# Altium PCB OneBox.PcbDoc (part 10 of 13)
Units mm, origin at the board's own origin, x right, y up, seen from the top; angles counter-clockwise.
Board outline 101 x 69 mm, 6 copper layers (L1_Sig, L2_Gnd, L3_Pow, L4_Sig, L5_Gnd, L6_Sig), stack 1.538 mm thick; 766 components, 563 nets, 3133 pads, 2914 vias.
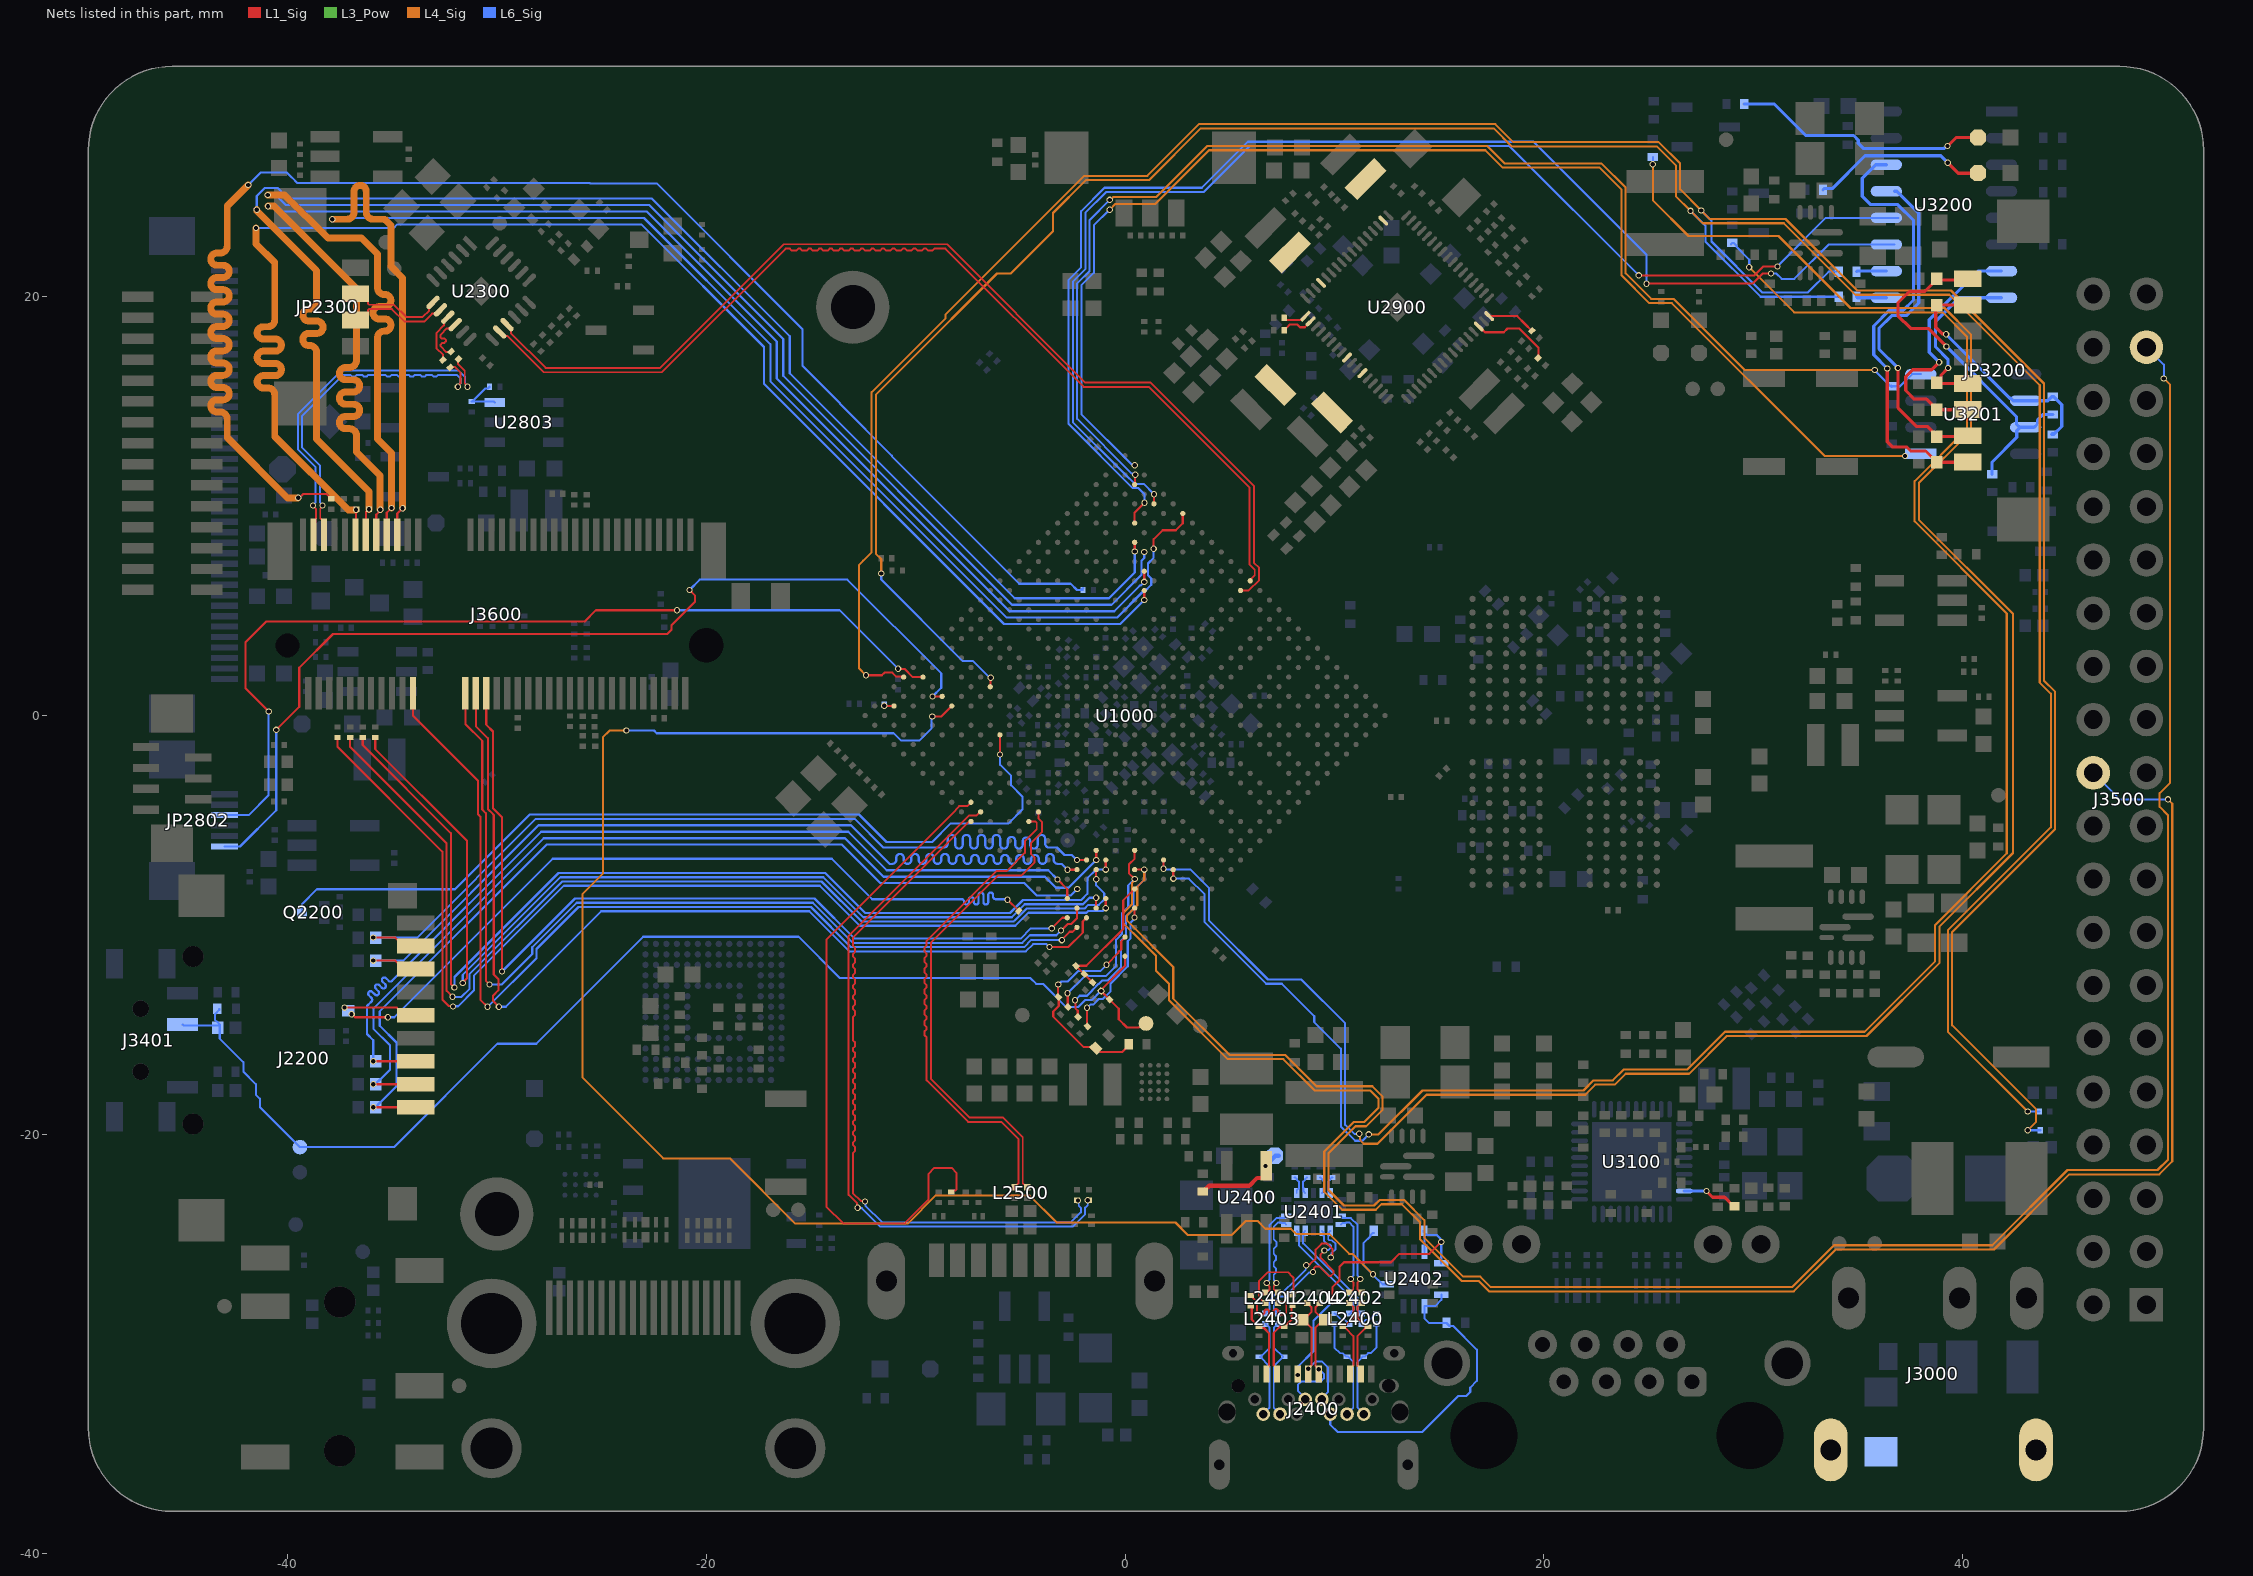
[diagram p14: the nets of this part, all layers, seen from the top]

## Via types
v1: diameter 0.3, hole 0.2, L1_Sig to L6_Sig, tented both sides, 2711 vias
v2: diameter 0.5, hole 0.3, L1_Sig to L6_Sig, tented both sides, 199 vias
v3: diameter 0.305, hole 0.203, L1_Sig to L6_Sig, tented both sides, 4 vias

## Nets (pads, with @x,y where several pads share a name; then routed paths per layer and width w, separated by ;. In a path a pad name is that pad's centre, name@x,y a point inside that pad or via, vN(x,y) a via of type N, cw(c..) or ccw(c..) an arc to the next point about the centre after c; other vN are vias at no path point) (continued)
RS232_RX2: ED3202.1 JP3200.4 U3200.8 | length 8.5
  L1_Sig w0.152: v1(39.3,16.6) 38.959,16.259 38.959,16.099 38.76,15.9 38.76,15.925 38.824,15.861 JP3200.4@40.178,15.861
  L6_Sig w0.152: v1(39.3,16.6) 39.3,17 38.7,17.6 38.7,18.822 39.833,19.955 U3200.8@41.852,19.955
RS232_RX3: ED3204.1 JP3200.2 U3200.13 | length 16.6
  L1_Sig w0.152: v1(36.9,16.6) 36.9,14.694 37.787,13.807 38.302,13.807 38.76,13.349 38.76,13.324 JP3200.2@40.202,13.324 ; JP3200.2@40.078,13.2 JP3200.2@40.202,13.324 ; JP3200.2@40.239,13.361 JP3200.2@40.202,13.324
  L6_Sig w0.152: U3200.13@36.754,25.035 36.848,25.035 37.9,23.983 37.9,19.7 37.3,19.1 36.6,19.1 36,18.5 36,17.5 v1(36.9,16.6)
RS232_TX2: ED3203.1 JP3200.3 U3200.7 | length 12.7
  L1_Sig w0.152: v1(38.87,16.872) 38.509,16.511 37.611,16.511 37.276,16.176 37.276,15.524 37.686,15.114 38.271,15.114 38.76,14.625 38.76,14.6 40.228,14.6 JP3200.3@40.239,14.611 JP3200.3@40.128,14.5
  L6_Sig w0.152: v1(38.87,16.872) 38.4,17.342 38.4,18.899 40.726,21.225 U3200.7@41.852,21.225
RS232_TX3: ED3205.1 JP3200.1 U3200.14 | length 21.6
  L1_Sig w0.152: v1(36.397,16.572) 36.397,13.071 36.412,13.056 36.412,13.053 36.633,12.833 37.313,12.833 37.51,12.636 38.224,12.636 38.536,12.324 38.561,12.324 38.76,12.125 38.76,12.1 40.228,12.1 JP3200.1@40.239,12.111 JP3200.1@40.128,12
  L6_Sig w0.152: U3200.14@36.348,26.305 35.848,26.305 35.2,25.657 35.2,24.8 35.6,24.4 36.9,24.4 37.646,23.654 37.646,19.846 37.154,19.354 36.495,19.354 35.746,18.605 35.746,17.223 v1(36.397,16.572)
RS485_A: ED3201.1 JP3200.7 R3206.1 R3208.2 U3201.6 | length 12
  L1_Sig w0.152: v1(39.204,18.209) 39.176,18.237 39.02,18.237 38.712,18.546 38.712,19.552 38.76,19.6 38.771,19.611 JP3200.7@40.239,19.611
  L6_Sig w0.152: v1(39.204,18.209) 39.204,18.196 39.8,17.6 42.246,15.154 42.287,15.154 42.406,15.035 U3201.6@43,15.035 44.06,15.035 44.25,15.225 R3208.2@44.3,15.225 44.35,15.225 44.728,14.847 44.728,13.803 44.35,13.425 44.25,13.425 R3206.1@44.3,13.475
RS485_B: ED3200.1 JP3200.8 R3207.2 R3208.1 U3201.7 | length 17.4
  L1_Sig w0.152: v1(39.215,17.628) 38.353,18.491 37.509,18.491 36.9,19.1 36.9,19.7 37.45,20.25 38.184,20.25 38.735,20.801 38.765,20.801 JP3200.8@40.179,20.801 ; JP3200.8@40.178,20.8 JP3200.8@40.179,20.801 ; JP3200.8@40.239,20.861 JP3200.8@40.179,20.801
  L6_Sig w0.152: v1(39.215,17.628) 42.56,14.284 42.56,13.926 42.72,13.765 U3201.7@42.737,13.765 ; R3207.2@41.4,11.525 41.4,12.11 42.576,13.286 42.576,13.604 U3201.7@42.737,13.765 ; R3208.1@44.3,14.375 43.821,14.375 43.567,14.12 43.567,13.926 43.406,13.765 U3201.7@43,13.765 U3201.7@42.737,13.765
RS_UART_B0: LED3200.2 R3211.2 | length 8.4
  L1_Sig w0.152: v1(39.278,26.399) 39.778,25.9 LED3200.2@40.723,25.9
  L6_Sig w0.152: R3211.2@33.325,25.1 33.389,25.164 33.764,25.164 35.333,26.733 38.945,26.733 v1(39.278,26.399)
RS_UART_B1: LED3201.2 R3214.2 | length 12.3
  L1_Sig w0.152: v1(39.274,27.198) 39.675,27.6 LED3201.2@40.723,27.6
  L6_Sig w0.152: R3214.2@29.569,29.203 30.997,29.203 32.5,27.7 34.784,27.7 35.004,27.48 35.004,27.332 35.251,27.085 39.121,27.085 39.234,27.198 v1(39.274,27.198)
RS_UART_LED_GPIO1_B0: R3209.2 U1000.D20 | length 96.2
  L1_Sig w0.102: U1000.D20@2.298,-7.354 2.302,-7.358 2.302,-7.781 v1(2.306,-7.784)
  L4_Sig w0.102: v1(11.638,-19.995) 12.105,-19.995 14.2,-17.9 21.887,-17.9 22.368,-17.419 23.293,-17.419 23.816,-16.897 26.85,-16.897 28.65,-15.097 35.316,-15.097 38.679,-11.733 38.679,-9.997 42.1,-6.576 42.1,4.873 37.7,9.273 37.7,11.187 40.197,13.684 40.197,18.103 39.044,19.256 31.952,19.256 v1(29.799,21.41)
  L6_Sig w0.102: v1(2.306,-7.784) 3.047,-7.784 3.799,-8.536 3.799,-9.862 6.741,-12.804 7.49,-12.804 9.034,-14.348 9.034,-14.634 10.306,-15.906 10.306,-19.619 10.984,-20.297 11.336,-20.297 v1(11.638,-19.995) ; R3209.2@28.929,22.504 R3209.2@29,22.575 29.05,22.575 29.199,22.426 29.199,22.376 29.806,21.769 29.806,21.417 v1(29.799,21.41)
RS_UART_LED_GPIO1_B1: R3212.2 U1000.E20 | length 104.7
  L1_Sig w0.102: v1(1.837,-7.316) U1000.E20@1.838,-6.895
  L4_Sig w0.102: v1(11.186,-19.966) 11.224,-20.004 11.224,-20.269 11.398,-20.443 12.057,-20.443 14.397,-18.103 21.972,-18.103 22.452,-17.622 23.378,-17.622 23.9,-17.1 26.934,-17.1 28.734,-15.3 35.4,-15.3 38.882,-11.818 38.882,-10.081 42.4,-6.563 42.4,4.861 37.903,9.358 37.903,11.103 40.4,13.6 40.4,18.187 39.128,19.459 34.641,19.459 31.2,22.9 26.9,22.9 25.2,24.6 v1(25.2,26.33)
  L6_Sig w0.102: v1(1.837,-7.316) 1.875,-7.354 3.13,-7.354 4.002,-8.226 4.002,-9.778 6.825,-12.601 8.414,-12.601 10.51,-14.697 10.51,-19.535 10.96,-19.985 11.168,-19.985 v1(11.186,-19.966) ; v1(25.2,26.33) R3212.2@25.2,26.675
RSET1: R3102.2 U3100.39 | length 2.7
  L1_Sig w0.152: v1(27.764,-22.696) 27.764,-22.716 28.049,-23 28.625,-23 29.05,-23.425 R3102.2@29.1,-23.425
  L6_Sig w0.152: U3100.39@26.7,-22.7 27.76,-22.7 v1(27.764,-22.696)
RT9293_FB: R2805.2 R2806.1 U2803.3 | length 2.3
  L6_Sig w0.102: R2805.2@-30.35,15.7 -30.35,15.693 -30.424,15.619 -30.556,15.619 -31.175,15 R2806.1@-31.2,15 -30.147,15 U2803.3@-30.097,14.95
RX_2: R3202.2 U3200.9 | length 1.4
  L6_Sig w0.152: R3202.2@34.925,20 34.97,19.955 U3200.9@36.348,19.955
SARADC_VIN0_KEY/RECOVERY: C1701.2 C3400.2 ED3402.1 J3401.2 R1700.2 TP1700.1 TP3402.1 U1000.B27 | length 59.7
  L1_Sig w0.102: R1700.2@-1.146,-13.146 C1701.2@-0.746,-13.546 -0.3,-13.993 -0.3,-14.499 0.092,-14.891 0.647,-14.891 0.838,-14.7 TP1700.1@1,-14.7 ; R1700.2@-1.146,-13.146 v1(-1.138,-13.146) -1.138,-13.084 0,-11.946 U1000.B27@0,-11.491
  L6_Sig w0.102: J3401.2@-45.004,-14.75 -44.954,-14.8 ED3402.1@-43.225,-14.8 ; C3400.2@-43.25,-14 -43.25,-14.05 -43.449,-14.249 -43.449,-14.541 -43.39,-14.601 -43.374,-14.601 -43.225,-14.75 ED3402.1@-43.225,-14.8 ; v1(-1.138,-13.146) -1.149,-13.146 -1.587,-13.583 -1.911,-13.583 -2.249,-13.921 -2.808,-13.921 -3.92,-12.809 -4.239,-12.809 -4.523,-12.526 -13.621,-12.526 -15.585,-10.561 -23.007,-10.561 -28.116,-15.67 -29.97,-15.67 -34.903,-20.603 TP3402.1@-39.397,-20.603 -41.311,-18.689 -41.311,-18.289 -41.5,-18.1 -41.5,-17.596 -42.1,-16.996 -42.1,-16.55 -43.225,-15.425 ED3402.1@-43.225,-14.8
SARADC_VIN1: C1702.2 R3409.1 R3410.2 U1000.C26 | length 10.5
  L1_Sig w0.102: v1(-3.194,-12.843) -3.204,-12.854 -3.204,-13.414 C1702.2@-3.186,-13.431 -3.169,-13.449 -3.169,-13.867 -3.428,-14.126 -3.428,-14.372 -1.969,-15.831 -1.658,-15.831 -1.609,-15.881 R3409.1@-1.398,-15.881 ; R3409.1@-1.389,-15.865 -1.184,-16.069 -0.144,-16.069 0.09,-15.835 R3410.2@0.09,-15.686 ; v1(-0.882,-11.896) -0.317,-11.331 -0.317,-11.289 -0.182,-11.154 -0.182,-10.781 0,-10.599 U1000.C26@0,-10.571
  L6_Sig w0.102: v1(-3.194,-12.843) -3.177,-12.843 -3.033,-12.698 -2.744,-12.698 -2.249,-12.203 -1.516,-12.203 -1.513,-12.2 -1.186,-12.2 v1(-0.882,-11.896)
SARADC_VIN2_HP_HOOK: C1703.2 U1000.D24 | length 6.8
  L1_Sig w0.102: v1(-1.813,-13.952) -1.813,-14.215 -1.811,-14.217 -1.811,-14.819 C1703.2@-1.793,-14.836 ; v1(0.449,-9.643) 0.454,-9.638 0.454,-9.198 U1000.D24@0.46,-9.192
  L6_Sig w0.102: v1(-1.813,-13.952) -1.804,-13.952 -1.654,-13.802 -1.519,-13.802 -1.25,-13.534 -1.059,-13.534 -0.689,-13.164 -0.689,-12.789 0.129,-11.971 0.129,-10.771 0.268,-10.632 0.268,-9.878 0.449,-9.697 v1(0.449,-9.643)
SARADC_VIN3: C1704.2 R3407.1 R3408.2 U1000.E23 | length 6.3
  L1_Sig w0.102: R3407.1@-2.346,-11.946 R3408.2@-1.946,-12.346 C1704.2@-1.546,-12.746 ; R3407.1@-2.346,-11.946 -2.329,-11.964 -2.224,-11.964 -2.206,-11.946 -1.846,-11.946 -0.087,-10.187 -0.087,-8.82 U1000.E23@0.46,-8.273
SARADC_VIN4: C1705.2 J3500.22 U1000.G21 | length 101.6
  L1_Sig w0.102: v1(-2.747,-13.258) -2.738,-13.267 -2.738,-13.892 C1705.2@-2.72,-13.91 ; U1000.G21@0.46,-6.435 0.46,-6.833 0.182,-7.111 0.182,-7.522 v1(0.46,-7.8)
  L4_Sig w0.102: v1(0.46,-7.8) 0.46,-7.853 0.333,-7.98 0.333,-9.005 -0.084,-9.422 -0.084,-9.43 -0.103,-9.449 -0.103,-9.884 0.806,-10.794 1.479,-11.466 1.479,-12.179 2.097,-12.797 2.097,-13.597 4.9,-16.4 7.551,-16.4 9.054,-17.903 11.716,-17.903 12.097,-18.284 12.097,-18.736 11.427,-19.406 10.92,-19.406 9.51,-20.816 9.51,-22.738 10.369,-23.597 11.971,-23.597 12.237,-23.331 13.218,-23.331 14.09,-24.203 14.09,-25.016 16.068,-26.994 16.881,-26.994 17.381,-27.494 31.932,-27.494 33.932,-25.494 41.494,-25.494 45.084,-21.903 49.384,-21.903 50.003,-21.284 50.003,-4.203 v1(49.8,-4)
  L6_Sig w0.102: v1(-2.747,-13.258) -1.931,-12.442 -0.917,-12.442 -0.424,-11.949 -0.424,-10.698 -0.15,-10.425 -0.15,-9.429 0.152,-9.127 0.152,-8.108 v1(0.46,-7.8) ; J3500.22@46.23,-2.73 47.5,-4 v1(49.8,-4) ; J3500.22@46.411,-3.183 J3500.22@46.446,-3.219
SARADC_VIN5: C1706.2 J3500.37 U1000.F22 | length 119.3
  L1_Sig w0.102: v1(-2.386,-13.59) -2.373,-13.603 -2.373,-13.979 -2.261,-14.091 -2.261,-14.369 C1706.2@-2.243,-14.386 ; U1000.F22@0.46,-7.354 v1(0.919,-7.354)
  L4_Sig w0.102: v1(0.919,-7.354) 0.919,-7.838 0.581,-8.176 0.581,-9.053 0.322,-9.313 0.312,-9.313 0.119,-9.506 0.119,-9.516 0.1,-9.534 0.1,-9.8 2.3,-12 2.3,-13.513 4.984,-16.197 7.635,-16.197 9.138,-17.7 11.8,-17.7 12.3,-18.2 12.3,-18.82 11.511,-19.609 11.004,-19.609 9.713,-20.9 9.713,-22.654 10.453,-23.394 11.887,-23.394 12.153,-23.128 13.328,-23.128 14.294,-24.094 14.294,-24.932 16.153,-26.79 16.965,-26.79 17.465,-27.29 31.847,-27.29 33.847,-25.29 41.41,-25.29 45,-21.7 49.3,-21.7 49.8,-21.2 49.8,-4.75 49.4,-4.35 49.4,-3.7 49.9,-3.2 49.9,15.8 v1(49.6,16.1)
  L6_Sig w0.102: v1(-2.386,-13.59) -2.171,-13.376 -1.817,-13.376 -1.546,-13.105 -1.546,-13.086 -1.275,-12.815 -1.261,-12.815 -1.09,-12.645 -0.832,-12.645 -0.2,-12.013 -0.2,-10.762 0.053,-10.509 0.053,-9.573 0.119,-9.508 0.119,-9.506 0.312,-9.313 0.314,-9.313 0.404,-9.222 0.404,-8.346 0.919,-7.831 v1(0.919,-7.354) ; J3500.37@48.77,17.59 49.6,16.76 v1(49.6,16.1)
SCL_809: R2906.1 U2900.1 | length 1.2
  L1_Sig w0.102: R2906.1@7.6,19 7.6,18.975 7.694,18.882 8.366,18.882 8.56,19.076 U2900.1@8.616,19.076
SDA_809: R2905.1 U2900.2 | length 1.6
  L1_Sig w0.102: R2905.1@7.6,18.4 7.6,18.425 7.674,18.499 7.694,18.499 7.868,18.673 8.227,18.673 8.354,18.546 8.581,18.546 U2900.2@8.863,18.828
SDMMC0_CLK: ED2203.1 J2200.5 R1404.1 | length 41.9
  L1_Sig w0.104: v1(-37.269,-13.944) -34.779,-13.944 -34.423,-14.3 J2200.5@-33.873,-14.3 ; v1(-36.929,-14.26) -36.91,-14.26 -36.77,-14.4 v1(-35.2,-14.4) ; v1(-5.616,-8.791) -5.612,-8.791 -5.08,-9.323 R1404.1@-5.077,-9.323
  L6_Sig w0.104: v1(-35.2,-14.4) -34.895,-14.4 -27.333,-6.838 -13.999,-6.838 -12.071,-8.765 -8.086,-8.765 -7.803,-8.765 cw(c-7.803,-8.881) -7.687,-8.881 -7.687,-8.903 ccw(c-7.571,-8.903) -7.456,-8.903 -7.456,-8.784 cw(c-7.34,-8.784) -7.225,-8.784 -7.225,-8.903 ccw(c-7.109,-8.903) -6.994,-8.903 -6.994,-8.564 cw(c-6.878,-8.564) -6.762,-8.564 -6.762,-8.903 ccw(c-6.647,-8.903) -6.531,-8.903 -6.531,-8.564 cw(c-6.416,-8.564) -6.3,-8.564 -6.3,-8.65 ccw(c-6.185,-8.65) -6.185,-8.765 -5.9,-8.765 -5.642,-8.765 v1(-5.616,-8.791)
SDMMC0_CMD: ED2204.1 J2200.3 U1000.H27 | length 45.1
  L1_Sig w0.104: v1(-35.9,-16.5) J2200.3@-33.873,-16.5 ; v1(-3.222,-7.829) -3.217,-7.829 -2.758,-8.288 U1000.H27@-2.758,-8.733
  L6_Sig w0.104: v1(-35.9,-16.5) -35.9,-15.5 -36.2,-15.2 -36.2,-13.866 -36.017,-13.684 -35.981,-13.647 ccw(c-36.062,-13.565) -35.981,-13.483 -36.107,-13.357 cw(c-36.025,-13.275) -36.107,-13.193 cw(c-36.025,-13.275) -35.944,-13.193 -35.817,-13.32 ccw(c-35.735,-13.238) -35.654,-13.32 ccw(c-35.735,-13.238) -35.654,-13.156 -35.78,-13.03 cw(c-35.698,-12.948) -35.78,-12.867 cw(c-35.698,-12.948) -35.617,-12.867 -35.49,-12.993 ccw(c-35.409,-12.911) -35.327,-12.993 ccw(c-35.409,-12.911) -35.327,-12.83 -35.453,-12.703 cw(c-35.372,-12.621) -35.453,-12.54 cw(c-35.372,-12.621) -35.29,-12.54 -35.163,-12.666 ccw(c-35.082,-12.584) -35,-12.666 -34.617,-12.283 -27.88,-5.546 -13.217,-5.546 -11.378,-7.385 -3.66,-7.385 -3.222,-7.824 v1(-3.222,-7.829)
SDMMC0_D0: ED2202.1 J2200.7 U1000.J25 | length 44.8
  L1_Sig w0.104: v1(-35.9,-11.7) -34.846,-11.7 J2200.7@-34.744,-11.802 ; v1(-2.75,-7.361) -2.747,-7.358 -2.302,-7.358 U1000.J25@-2.298,-7.354
  L6_Sig w0.104: v1(-35.9,-11.7) -34.468,-11.7 -28.007,-5.239 -13.09,-5.239 -11.25,-7.078 -11.157,-7.078 -11.105,-7.078 ccw(c-11.105,-6.899) -10.926,-6.899 -10.926,-6.786 cw(c-10.747,-6.786) -10.567,-6.786 -10.567,-6.899 ccw(c-10.388,-6.899) -10.209,-6.899 -10.209,-6.786 cw(c-10.03,-6.786) -9.851,-6.786 -9.851,-6.899 ccw(c-9.672,-6.899) -9.493,-6.899 -9.493,-6.786 cw(c-9.314,-6.786) -9.135,-6.786 -9.135,-6.899 ccw(c-8.956,-6.899) -8.777,-6.899 -8.777,-6.786 cw(c-8.598,-6.786) -8.419,-6.786 -8.419,-6.899 ccw(c-8.24,-6.899) -8.06,-6.899 -8.06,-6.833 cw(c-7.881,-6.833) -7.702,-6.833 -7.702,-6.899 ccw(c-7.523,-6.899) -7.344,-6.899 -7.344,-6.833 cw(c-7.165,-6.833) -6.986,-6.833 -6.986,-6.899 ccw(c-6.807,-6.899) -6.628,-6.899 -6.628,-6.833 cw(c-6.449,-6.833) -6.27,-6.833 -6.27,-6.899 ccw(c-6.091,-6.899) -5.912,-6.899 -5.912,-6.833 cw(c-5.733,-6.833) -5.554,-6.833 -5.554,-6.899 ccw(c-5.374,-6.899) -5.195,-6.899 -5.195,-6.833 cw(c-5.016,-6.833) -4.837,-6.833 -4.837,-6.899 ccw(c-4.658,-6.899) -4.479,-6.899 -4.479,-6.837 cw(c-4.3,-6.837) -4.121,-6.837 -4.121,-6.899 ccw(c-3.942,-6.899) -3.763,-6.899 -3.763,-6.786 cw(c-3.584,-6.786) -3.405,-6.786 -3.405,-6.899 ccw(c-3.226,-6.899) -3.226,-7.078 -3.034,-7.078 -2.91,-7.202 v1(-2.75,-7.361)
SDMMC0_D1: ED2201.1 J2200.8 U1000.J24 | length 44.8
  L1_Sig w0.104: v1(-35.9,-10.6) -34.846,-10.6 J2200.8@-34.744,-10.702 ; v1(-2.298,-6.894) U1000.J24@-1.838,-6.894
  L6_Sig w0.104: v1(-35.9,-10.6) -33.803,-10.6 -28.134,-4.931 -12.912,-4.931 -11.543,-6.3 -8.7,-6.3 -8.648,-6.3 ccw(c-8.648,-6.121) -8.469,-6.121 -8.469,-5.877 cw(c-8.29,-5.877) -8.111,-5.877 -8.111,-6.167 ccw(c-7.932,-6.167) -7.753,-6.167 -7.753,-5.877 cw(c-7.573,-5.877) -7.394,-5.877 -7.394,-6.167 ccw(c-7.215,-6.167) -7.036,-6.167 -7.036,-5.877 cw(c-6.857,-5.877) -6.678,-5.877 -6.678,-6.167 ccw(c-6.499,-6.167) -6.32,-6.167 -6.32,-5.877 cw(c-6.141,-5.877) -5.962,-5.877 -5.962,-6.167 ccw(c-5.783,-6.167) -5.604,-6.167 -5.604,-5.974 cw(c-5.425,-5.974) -5.246,-5.974 -5.246,-6.167 ccw(c-5.067,-6.167) -4.887,-6.167 -4.887,-5.995 cw(c-4.708,-5.995) -4.529,-5.995 -4.529,-6.171 ccw(c-4.35,-6.171) -4.171,-6.171 -4.171,-5.877 cw(c-3.992,-5.877) -3.813,-5.877 -3.813,-6.121 ccw(c-3.634,-6.121) -3.634,-6.3 -3.246,-6.3 -2.892,-6.654 -2.539,-6.654 v1(-2.298,-6.894)
SDMMC0_D2/ARMJTAG_TCK: ED2206.1 J2200.1 U1000.H26 | length 45.3
  L1_Sig w0.104: v1(-35.9,-18.7) J2200.1@-33.873,-18.7
  L6_Sig w0.104: ED2206.1@-35.9,-18.625 v1(-35.9,-18.7) -35.794,-18.7 -35.794,-18.694 -35.552,-18.452 -35.546,-18.452 -34.788,-17.694 -34.788,-15.611 -35.585,-14.814 -35.585,-14.121 -27.625,-6.161 -13.519,-6.161 -11.68,-8 -4.8,-8 -4.211,-8.589 -2.594,-8.589 -2.285,-8.281 v1(-2.285,-8.279)
SDMMC0_D3/ARMJTAG_TMS: ED2205.1 J2200.2 U1000.J23 | length 46.3
  L1_Sig w0.104: v1(-35.9,-17.6) J2200.2@-33.873,-17.6 ; v1(-1.379,-6.894) U1000.J23@-1.379,-6.435
  L6_Sig w0.104: ED2205.1@-35.9,-17.525 v1(-35.9,-17.6) -35.795,-17.6 -35.795,-17.595 -35.552,-17.352 -35.547,-17.352 -35.1,-16.905 -35.1,-15.746 -35.893,-14.954 -35.893,-13.994 -27.752,-5.853 -13.371,-5.853 -11.532,-7.693 -3.827,-7.693 -3.298,-8.222 -2.697,-8.222 -2.2,-7.725 -2.2,-7.715 v1(-1.379,-6.894)
SDMMC0_DET_L: Q2200.3 U1000.Y22 | length 41.8
  L1_Sig w0.102: U1000.Y22@-5.975,-0.919 -5.971,-0.923 -5.971,-1.85 v1(-5.967,-1.854)
  L6_Sig w0.102: Q2200.3@-39.3,-9.4 -39.3,-9 -38.592,-8.292 -31.992,-8.292 -28.425,-4.725 -12.703,-4.725 -11.393,-6.035 -9.21,-6.035 -8.319,-5.145 -5.562,-5.145 -4.896,-4.479 -4.896,-3.871 -5.439,-3.328 -5.439,-2.878 -5.967,-2.35 v1(-5.967,-1.854)
SDMMC2_CLK_M0: R1600.2 R3600.1 | length 77
  L1_Sig w0.104: v1(-39.481,10.4) -39.428,10.4 -39.254,10.574 -38.124,10.574 -37.998,10.448 -37.998,10.423 -37.925,10.35 R3600.1@-37.9,10.35
  L4_Sig w0.33: v1(-41.866,25.336) -42.868,24.334 -42.868,23.02 -42.868,22.42 cw(c-43.198,22.42) -43.198,22.09 -43.364,22.09 ccw(c-43.364,21.798) -43.364,21.506 -43.063,21.506 cw(c-43.063,21.214) -43.063,20.922 -43.364,20.922 ccw(c-43.364,20.629) -43.364,20.337 -43.063,20.337 cw(c-43.063,20.045) -43.063,19.753 -43.364,19.753 ccw(c-43.364,19.461) -43.364,19.169 -43.063,19.169 cw(c-43.063,18.877) -43.063,18.585 -43.364,18.585 ccw(c-43.364,18.293) -43.364,18.001 -43.063,18.001 cw(c-43.063,17.708) -43.063,17.416 -43.364,17.416 ccw(c-43.364,17.124) -43.364,16.832 -43.063,16.832 cw(c-43.063,16.54) -43.063,16.248 -43.364,16.248 ccw(c-43.364,15.956) -43.364,15.664 -43.063,15.664 cw(c-43.063,15.372) -43.063,15.08 -43.364,15.08 ccw(c-43.364,14.787) -43.364,14.495 -43.198,14.495 cw(c-43.198,14.165) -42.868,14.165 -42.868,14 -42.868,13.268 -40,10.4 v1(-39.481,10.4)
  L6_Sig w0.104: v1(-41.866,25.336) -41.27,25.932 -40.02,25.932 -39.8,25.712 -39.8,25.7 -39.788,25.7 -39.522,25.434 -25.565,25.434 -25.543,25.412 -22.364,25.412 -15.4,18.448 -15.4,16.709 -13.609,14.918 -13.609,14.889 -11.133,12.413 -11.133,12.377 -5.057,6.3 -2.6,6.3 -2.298,5.998 R1600.2@-2.012,5.998 ; R1600.2@-2.057,6.043 R1600.2@-2,6.1
SDMMC2_CMD_M0: J3600.11 R3620.2 U1000.Y7 | length 74
  L1_Sig w0.104: J3600.11@-36.75,8.625 -36.725,8.65 v1(-36.725,9.825) R3620.2@-36.7,9.85 ; v1(0.919,5.517) U1000.Y7@0.919,5.975
  L4_Sig w0.33: v1(-41.5,23.283) -41.5,22.527 -40.6,21.627 -40.6,20.052 -40.6,18.899 cw(c-40.93,18.899) -40.93,18.568 -41.149,18.568 ccw(c-41.149,18.276) -41.149,17.984 -40.576,17.984 cw(c-40.576,17.692) -40.576,17.4 -41.149,17.4 ccw(c-41.149,17.108) -41.149,16.816 -40.576,16.816 cw(c-40.576,16.524) -40.576,16.232 -41.149,16.232 ccw(c-41.149,15.94) -41.149,15.647 -40.93,15.647 cw(c-40.93,15.317) -40.6,15.317 -40.6,15.152 -40.6,13.336 -37.089,9.825 v1(-36.725,9.825)
  L6_Sig w0.104: v1(-41.5,23.283) -34.922,23.283 -34.748,23.457 -23.095,23.457 -17.243,17.605 -17.243,15.839 -5.776,4.372 -0.226,4.372 v1(0.919,5.517)
SDMMC2_D0_M0: J3600.13 R3619.2 U1000.AC5 | length 73.9
  L1_Sig w0.104: J3600.13@-36.25,8.625 -36.25,9.725 -36.125,9.85 v1(-36.1,9.85) ; v1(0.46,7.832) U1000.AC5@0.46,8.273
  L4_Sig w0.33: v1(-41.458,24.158) -41.458,24.101 -38.6,21.243 -38.6,20.5 -38.6,19.751 cw(c-38.93,19.751) -38.93,19.42 -38.969,19.42 ccw(c-38.969,19.128) -38.969,18.836 -38.584,18.836 cw(c-38.584,18.544) -38.584,18.252 -38.969,18.252 ccw(c-38.969,17.96) -38.969,17.668 -38.93,17.668 cw(c-38.93,17.338) -38.6,17.338 -38.6,16.836 -38.6,13.2 -36.1,10.7 v1(-36.1,9.85)
  L6_Sig w0.104: v1(-41.458,24.158) -41.458,24.807 -41.071,25.195 -40.46,25.195 -39.952,24.686 -22.586,24.686 -16.014,18.114 -16.014,16.348 -5.267,5.602 -0.77,5.602 0.46,6.831 v1(0.46,7.832)
SDMMC2_D1_M0: J3600.15 U1000.AA6 | length 74.1
  L1_Sig w0.104: J3600.15@-35.75,8.625 -35.75,9.596 -35.567,9.779 v1(-35.567,9.833) ; v1(0.917,6.385) v1(0.917,6.385) 0.918,6.893 U1000.AA6@0.919,6.894
  L4_Sig w0.33: v1(-40.927,24.324) -40.921,24.33 -40.63,24.33 -36.7,20.4 -36.7,17.7 -36.7,17.535 -36.699,16.951 cw(c-37.029,16.951) -37.029,16.62 -37.222,16.62 ccw(c-37.222,16.328) -37.222,16.036 -36.837,16.036 cw(c-36.837,15.744) -36.837,15.452 -37.222,15.452 ccw(c-37.222,15.16) -37.222,14.868 -36.837,14.868 cw(c-36.837,14.576) -36.837,14.284 -37.222,14.284 ccw(c-37.222,13.992) -37.222,13.699 -37.023,13.699 cw(c-37.023,13.369) -36.693,13.37 -36.692,12.756 -36.691,12.591 -35.567,11.467 v1(-35.567,9.833)
  L6_Sig w0.104: v1(-40.927,24.324) -40.921,24.33 -40.465,24.33 -40.206,24.072 -22.841,24.072 -16.628,17.859 -16.628,16.094 -5.522,4.987 -1.269,4.987 -0.515,4.987 0.706,6.207 0.739,6.207 v1(0.917,6.385)
SDMMC2_D2_M0: J3600.17 U1000.AB5 | length 74.8
  L1_Sig w0.104: J3600.17@-35.25,8.625 -35.25,9.693 v1(-35.029,9.914)
  L4_Sig w0.33: v1(-40.934,24.863) -40.929,24.868 -40.132,24.868 -38.064,22.8 -36.459,22.8 -35.7,22.041 -35.7,20.604 -35.7,20.439 ccw(c-35.37,20.439) -35.37,20.109 -35.344,20.109 cw(c-35.344,19.817) -35.344,19.525 -35.618,19.525 ccw(c-35.618,19.233) -35.618,18.94 -35.344,18.94 cw(c-35.344,18.648) -35.344,18.356 -35.37,18.356 ccw(c-35.37,18.026) -35.7,18.026 -35.7,17.51 -35.7,13.2 -35.033,12.533 -35.033,9.919 v1(-35.029,9.914)